# Altium PCB SEC_3002_DZ&HL - 副本.PcbDoc (part 2 of 2)
Units mm, origin at the board's own origin, x right, y up, seen from the top; angles counter-clockwise.
Board outline 200 x 170 mm, 2 copper layers (Top Layer, Bottom Layer); 589 components, 413 nets, 1696 pads, 0 vias.
Unrouted connection lines stored in the file: 1100.
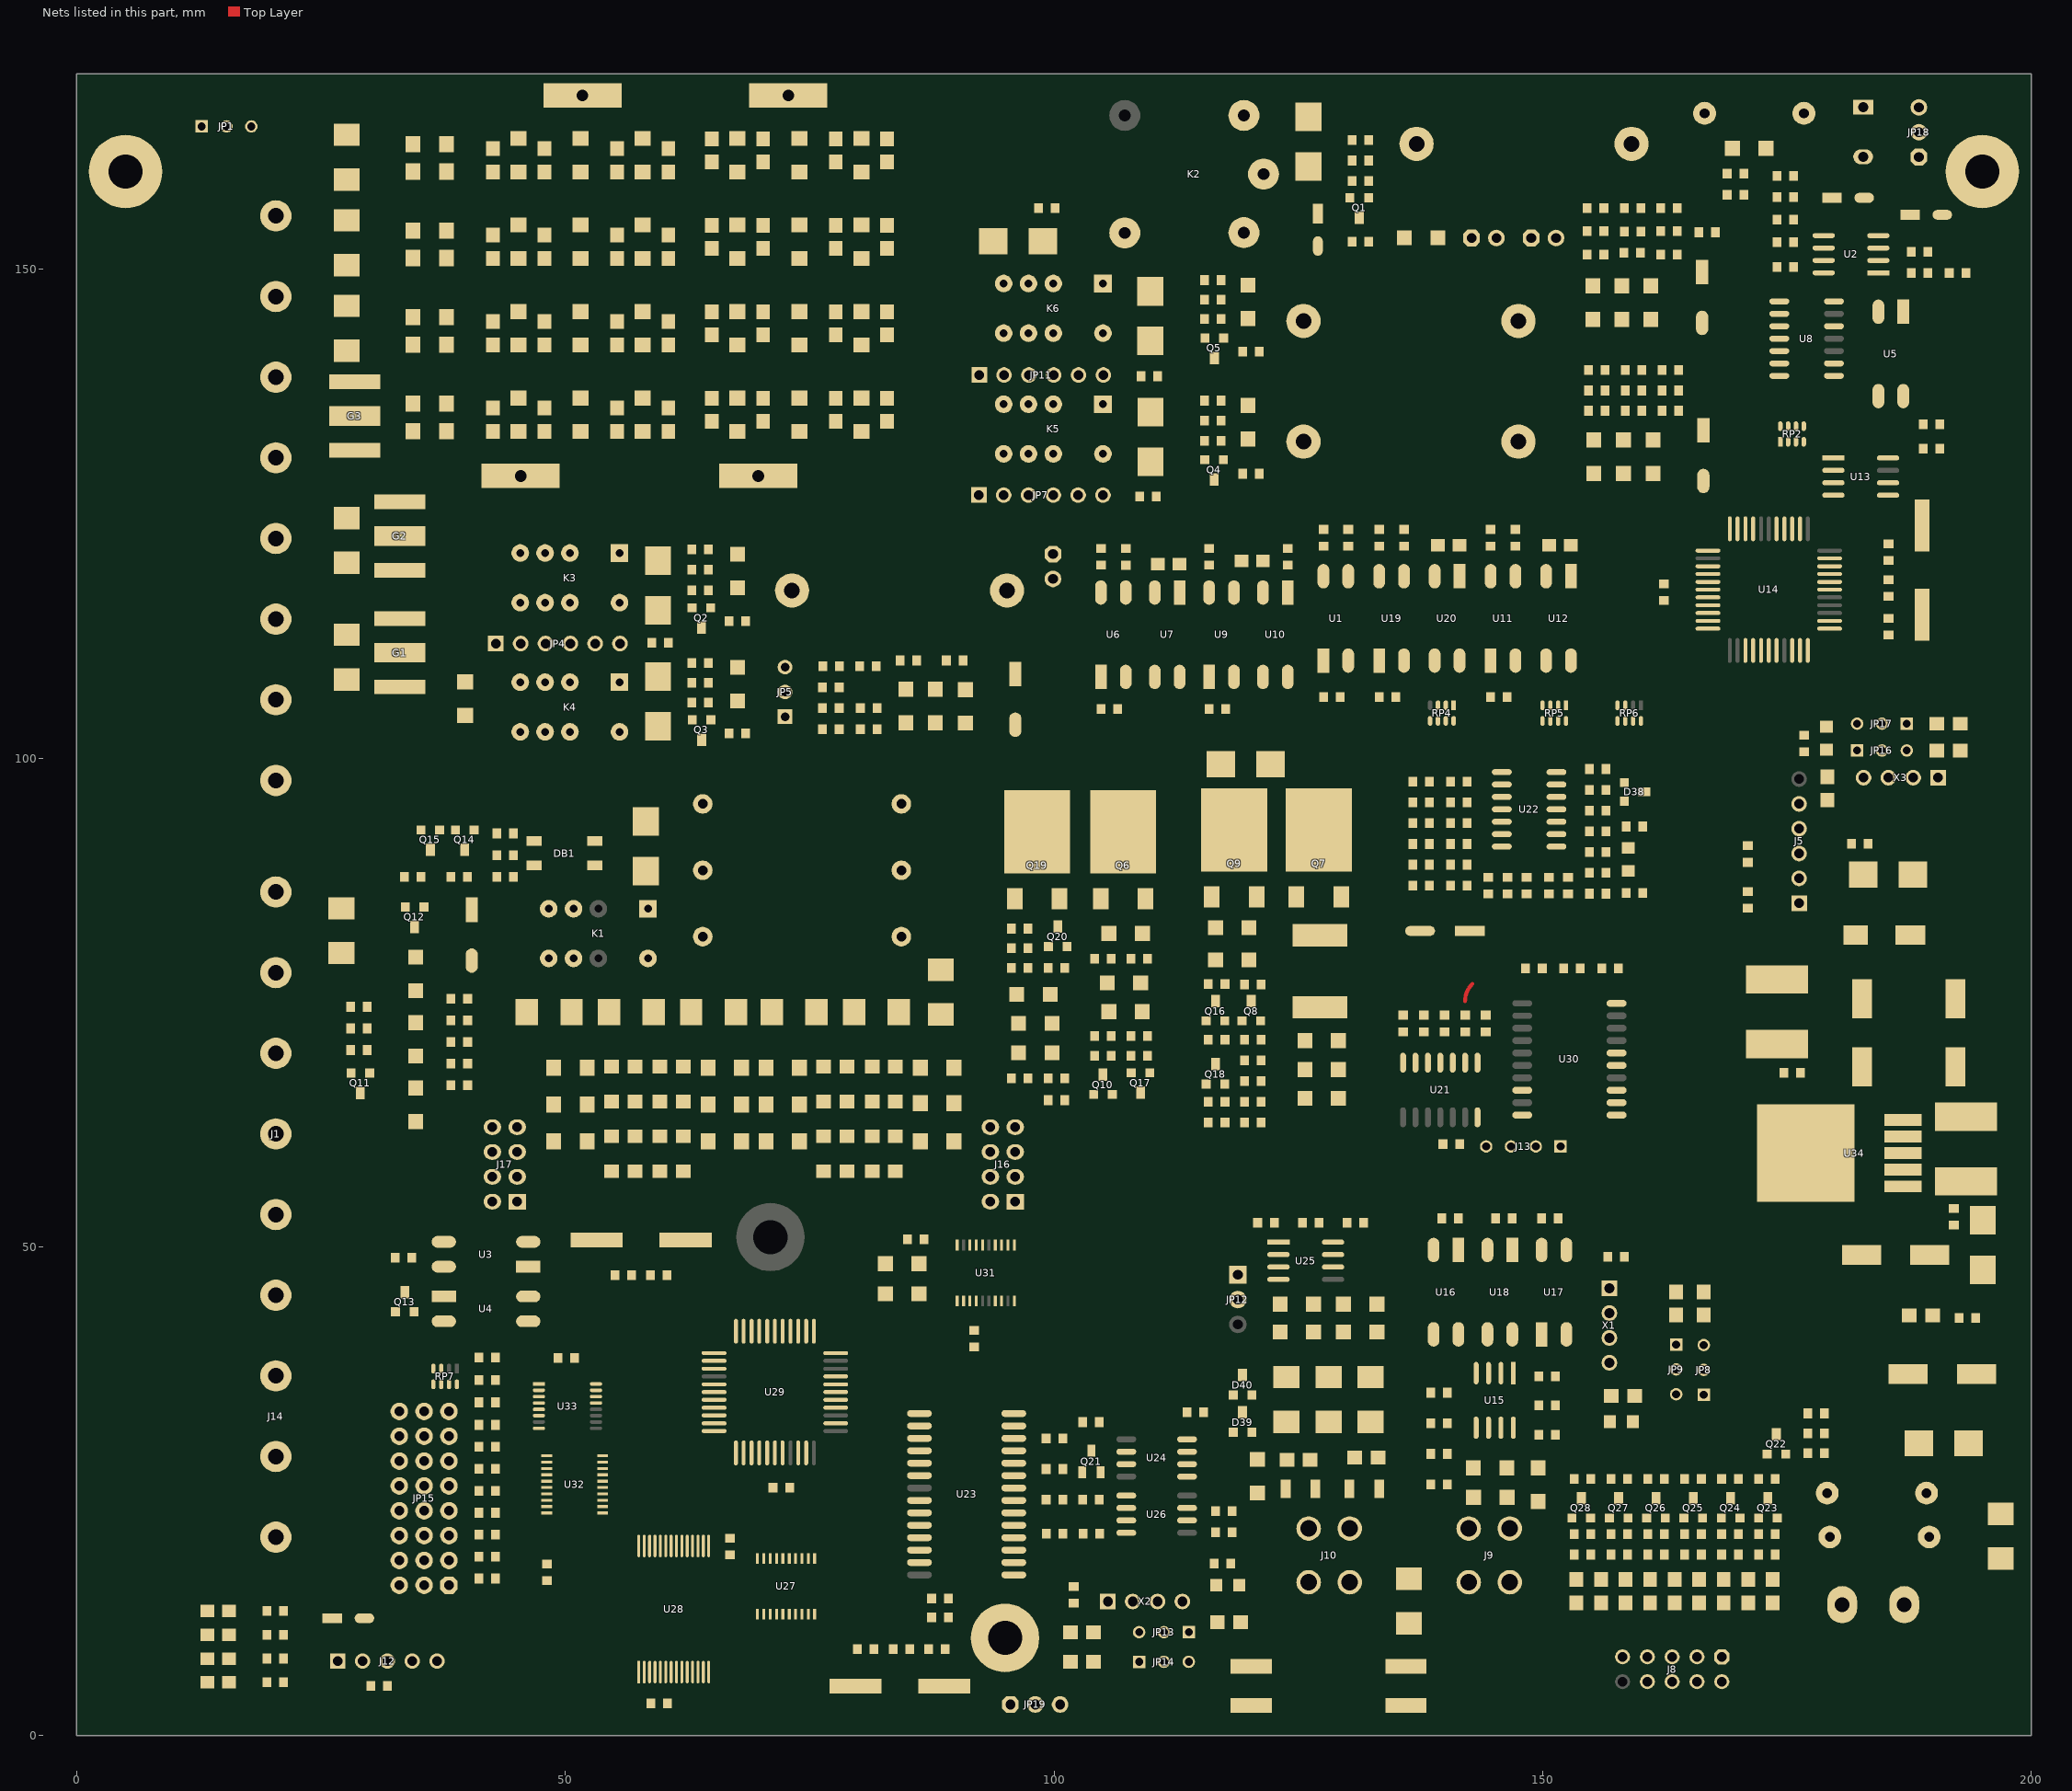
[diagram p2: the nets of this part, all layers, seen from the top]

## Part data
C1 C6 C8 C9 C10 C11 C12 C16 C17 C18 C19 C20 C22 C23 C24 C25 C26 C27 C28 C30 C31 C32 C33 C34 C35 C36 C37 C39 C40 C41 C42 C43 C44 C45 C46 C47 C48 C49 C50 C51 C52 C53 C55 C56 C57 C58 C59 C60 C61 C62 C63 C64 C65 C66 C67 C68 C69 C70 C72 C73 C79 C80 C81 C82 C83 C84 C85 C86 C87 C88 C89 C90 C91 C92 C93 C94 C95 C96 C97 UC1 UC2 UC3 UC4 UC5 UC6 UC7 UC8 UC9 UC10 VC1 VC2 VC3 VC4 VC5 VC6 VC7 VC8 VC9 VC10 VC11 VC12 VC13 VC14 VC15 VC16 VC17: library part CAP, "Capacitor"
C2 C4 C5 C7 C14 C15 C29 C38 C54 C71 C74 C75 C76 C77 C78: library part ELECTRO1, "Electrolytic Capacitor"
C3 C13: library part Cap, "Capacitor"
D1 D2 D3 D7 D10 D11 D14 D17 D22 D31 D32 D33 D34 D35 D36 D37 D44 D45 D46 D48 D49: library part DIODE_A, "Diode"
D4 D9: library part Diode, "Default Diode"
D5 D15 D20: library part DIODE, "Diode"
D6 D8 D12 D13 D16 D18 D19 D21 D23 D30: library part DIODE, "DIODE"
D24 D25 D26 D27 D28 D29 D47 D50 D51 D52 D53 D54 D55 D56: library part TVS
D41 D42 D43: library part TVS_SMALL
DB1: library part MB1S
DZ1 DZ2 DZ3 DZ4 DZ5 DZ6: library part ZENER3, "Zener Diode"
F1 F2 F3 F4: library part FUSE1, "Fuse"
F5 F6 F7: library part RXE110, "PTC"
G1 G2 G3: library part GDT
H1 H2 H3 H4 H5 H6 H7 H8: library part LED
J1: "Header, 3-Pin"
J2 J3 J4 J6 J7 J15: "Header, 2-Pin"
J5: library part J-6
J8: library part CON10, "Connector"
J9 J10: library part CON4, "Connector"
J12 J13 J14: "Connector"
JP2 JP3 JP6 JP10: library part JUMPER, "Jumper"
JP4 JP7 JP11: library part JUMP-6
JP15: library part "SW DIP8-3"
K1 K3 K4 K5 K6: library part RELAY-DPDT
K2: library part RELAY-SPDT
L1: library part L
L2 L3 L4 L5 L6 L7 L8 L10 L11 L12 L14 L15 L16 L18 L19 L20 L22 L23 L24 L25 L26 L27 L31 L37 L41 L45 L46 L47 L48 L49 L50 L51 L52 L53 L54 L55 L56 L57 L58 L59 L60 L61 L62 L63 L64 L65 L66 L67 L68 L69 L70 L71 L72 L73 L74: library part INDUCTOR
L9 L13 L17 L21: library part INDUCTOR2
L28 L29 L30 L32 L33 L34 L35 L36 L42 L43 L44: "60Ω-3A-[0805]"
L38 L39: library part "INDUCTOR IRON"
L40: library part INDUCTOR1
Q1 Q2 Q3 Q4 Q5 Q6 Q8 Q11 Q13 Q14 Q15 Q16 Q17 Q18 Q20 Q22 Q23 Q24 Q25 Q26 Q27 Q28: library part NPN, "NPN Transistor"
Q7 Q9: library part MOSFET-P, "P-channel mosfet"
Q10: library part PNP_A, "PNP Transistor"
Q12: library part PNP, "PNP Transistor"
Q19: library part MOSFET-N1
Q21: "2SA1015-[SOT-23]"
R1 R2 R3 R4 R5 R6 R7 R8 R9 R10 R11 R13 R14 R15 R16 R17 R18 R19 R20 R21 R22 R23 R24 R25 R27 R28 R29 R30 R31 R32 R33 R34 R35 R36 R38 R39 R40 R41 R42 R43 R44 R45 R46 R47 R49 R50 R51 R52 R53 R54 R55 R56 R57 R58 R59 R60 R61 R62 R63 R64 R65 R66 R67 R68 R69 R70 R71 R72 R74 R75 R76 R77 R78 R79 R81 R82 R83 R84 R85 R86 R87 R88 R89 R91 R92 R93 R94 R95 R96 R97 R98 R99 R100 R101 R102 R103 R104 R105 R106 R107 R108 R109 R110 R111 R112 R113 R114 R115 R116 R117 R118 R119 R120 R121 R122 R123 R124 R125 R126 R127 R128 R129 R130 R131 R132 R133 R134 R135 R136 R137 R138 R139 R140 R141 R142 R143 R144 R145 R146 R147 R148 R149 R150 R151 R152 R153 R154 R155 R156 R157 R158 R159 R160 R161 R162 R163 R164 R165 R166 R167 R168 R169 R170 R171 R172 R173 R175 R176 R177 R178 R179 R180 R181 R182 R183 R184 R185 R186 R187 R188 R189 R190 R191 R192 R193 R194 R195 R196: library part RES2
R73 R80: library part RES, "RES"
RP2 RP4 RP5 RP6 RP7: library part RP4, "RES PACK"
U1 U3 U4 U5 U6 U7 U9 U10 U11 U12 U16 U17 U18 U19 U20: library part TLP521-1
U2: library part ST393
U8: "Operational Amplifier"
U14: library part PIC16C74-04/PQ(44), "40-Pin EPROM-Based 8-Bit CMOS Microcontroller"
U15: library part MAX485
U21: library part 74LS14
U22: library part LM124
U24 U26: library part 6N137_1, "6N137-[DIP-8]"
U25: library part 82C250
U28: library part 62256_Type1_Forward
U29: library part STC89C51RD
U31: library part 74LS273
U32: library part 74LS245
U33: library part 74ALS138
X1 X2 X3: library part B0505S-1W, "B050S-1WR"
Y1 Y2 Y3: library part CRYSTAL, "Crystal"

## Free pads (board coordinates)
  round 7.5 hole 3.5: 0(5,160) 0(195,160)
  round 7 hole 3.5: 0(71,51) 0(95,10)
  rect 8x2.5 hole 1.2 slot 5 at 0 deg: 1(51.755,167.783) 2(72.826,167.783) 3(45.444,128.862) 4(69.738,128.862)

## Nets (pads, with @x,y where several pads share a name; then routed paths per layer and width w, separated by ;. In a path a pad name is that pad's centre, name@x,y a point inside that pad or via, vN(x,y) a via of type N, cw(c..) or ccw(c..) an arc to the next point about the centre after c; other vN are vias at no path point)
9.1V: DZ3.K R113.1 R117.2
24VGND: C1.2 C3.2 C4.2 C5.2 C6.2 C7.2 C8.2 C9.2 C10.2 C11.2 C15.2 C16.2 C17.2 C18.2 C29.2 C30.2 C31.2 C32.2 C33.2 C34.2 C35.2 C36.2 C37.1 C38.2 C39.1 C40.1 C41.1 C42.2 C43.2 C44.2 C45.1 C46.1 C47.1 C48.2 C49.2 C50.2 C52.2 C53.1 C54.2 C56.2 C58.1 C64.1 C65.1 C68.2 C69.2 C70.2 C72.2 C73.2 C74.2 C75.2 C76.2 C77.2 C78.2 C79.2 C80.2 C83.2 C97.2 D1.A D6.A D16.A D21.A D24.K D26.A D27.K D29.A D38.B D47.A D48.A D49.A D53.K DZ3.A H6.K J2.2 J12.2 J13.2 JP4.1 JP7.1 JP11.1 JP15.B1 JP15.B2 JP15.B3 JP15.B4 JP15.B5 JP15.B6 JP15.B7 JP15.B8 L35.1 L41.2 L43.1 L47.2 Q1.E Q2.E Q3.E Q4.E Q5.E Q8.E Q11.E Q16.E Q17.E Q18.E Q20.E Q21.3 R5.1 R6.2 R11.1 R15.1 R16.1 R20.2 R23.1 R24.2 R31.2 R35.2 R36.2 R41.2 R45.1 R46.2 R52.1 R53.2 R67.2 R84.2 R88.1 R89.2 R96.2 R98.1 R103.1 R111.1 R114.1 R116.1 R120.1 R125.1 R130.1 R136.1 R142.2 R143.2 R144.2 R152.1 R173.1 R175.1 U2.4 U4.3 U8.12 U21.7 U22.11 U23.8 U23.15 U23.21 U26.5 U27.1 U27.10 U28.14 U29.16 U30.10 U31.10 U32.10 U33.4 U33.5 U33.8 U34.0 U34.3 U34.5 UC1.2 UC2.2 UC3.2 UC4.2 UC5.2 UC6.2 UC7.2 UC8.2 UC9.2 UC10.2 VC17.1 X2.1 X3.1 | length 2
  Top Layer w0.4: 142.07,75.116 cw(c144.61,75.116) 142.813,76.912
24VIN_GND: J15.1 L41.1
24VK.OUT+: D50.K J7.2 L46.1
24VK.OUT-: D50.A D51.K J7.1 L50.1
24VKCTRL: RP4.3 U1.2 U14.3
93C46_CLK: RP2.3 U13.2 U14.37
93C46_CS: RP2.4 U13.1 U14.20
93C46_DI: RP2.2 U13.3 U14.43
93C46_DO: RP2.1 U13.4 U14.42
+5V: C58.2 C68.1 C71.1 C72.1 C78.1 C83.1 D38.E D48.K J12.1 J13.1 L34.1 L39.1 L42.1 R49.1 R57.2 R109.2 R121.1 R132.2 R145.2 R148.2 R158.1 R159.1 R160.2 R161.2 R162.2 R163.1 R164.2 R165.2 R166.2 R167.2 R168.2 R169.1 R170.2 RP7.5 RP7.6 RP7.7 RP7.8 U21.14 U22.4 U23.11 U23.12 U23.18 U23.22 U24.2 U26.7 U26.8 U27.20 U28.28 U29.38 U30.8 U31.1 U31.20 U32.20 U33.16 UC1.1 UC2.1 UC3.1 UC4.1 UC5.1 UC6.1 UC7.1 UC8.1 UC9.1 UC10.1 X2.2 X3.2
+24V: C73.1 C74.1 D9.K F5.2 K1.1 L40.2 R50.1 R113.2 U34.1
+24V_IN: J15.2 L37.1
+24VOUT: C2.1 C33.1 C75.1 C79.1 C97.1 D2.K D5.K D13.K D15.K D20.K D46.K F1.1 JP3.1 JP6.1 JP10.1 K2.2 K3.1 K4.1 K5.1 K6.1 L40.1 R2.1 R7.2 R8.2 R9.2 R13.2 R17.1 R19.1 R25.1 R27.1 R33.1 R38.1 R39.1 R42.1 R47.1 R63.1 R82.1 R85.1 R91.1 R92.1 U2.8 U8.3
/INT0: U23.16 U29.8
/RD: U23.5 U28.22 U29.13 U32.1
/WR: D45.A U23.6 U28.27 U29.12
A0: U27.12 U28.10
A1: U27.13 U28.9
A2: U27.14 U28.8
A3: U27.15 U28.7
A4: U27.16 U28.6
A5: U27.17 U28.5
A6: U27.18 U28.4
A7: U27.19 U28.3
A8: U28.25 U29.18
A9: U28.24 U29.19
A10: U28.21 U29.20
A11: U28.23 U29.21
A12: U28.2 U29.22 U33.1
A13: U28.26 U29.23 U33.2
A14: U28.1 U29.24 U33.3
A15: U28.20 U29.25 U33.6
AC: L2.2 R183.2
ACF: L7.1 R187.2
AD0: U23.23 U27.9 U28.11 U29.37 U31.3 U32.2
AD1: U23.24 U27.8 U28.12 U29.36 U31.4 U32.3
AD2: U23.25 U27.7 U28.13 U29.35 U31.7 U32.4
AD3: U23.26 U27.6 U28.15 U29.34 U31.8 U32.5
AD4: U23.27 U27.5 U28.16 U29.33 U31.13 U32.6
AD5: U23.28 U27.4 U28.17 U29.32 U31.14 U32.7
AD6: U23.1 U27.3 U28.18 U29.31 U31.17 U32.8
AD7: U23.2 U27.2 U28.19 U29.30 U31.18 U32.9
ALE: U23.3 U27.11 U29.27
BAK: L25.2 R189.2
C1: JP15.C1
C2: JP15.C2
C3: JP15.C3
C4: JP15.C4
C5: JP15.C5
C6: JP15.C6
C7: JP15.C7
C8: JP15.C8
CAN1_5.0V: C57.1 C62.2 C63.1 C66.1 C67.1 D39.E D40.E JP13.1 JP13.2 L36.2 R146.2 U24.7 U24.8 U25.3 U26.2
CAN_H: D41.K D42.K JP12.2 L32.1 R149.2 R151.2
CAN_L: D42.A D43.A L33.1 R153.2 R154.2 R155.2
CAN_RST: U23.17 U29.11
CANH: F6.1 J10.1 J10.3 T8.1
CANL: F7.1 J10.2 J10.4 T9.2
"CLASS CHANGE": D53.A H3.K J2.1 JP5.1
"CLASS JUMP": D20.A JP5.2 JP5.3 K6.12 Q5.C
CLASS_IN: RP5.1 U10.4 U14.11
CLOK: J5.5 U14.16
COMM_LED: H7.K U31.16
DATA: J5.4 U14.17
DC: L3.2 L6.2 R184.2
DCE: L8.2 R188.2
DCF: L4.2 R185.2
DCT: L5.2 R186.2
DP485_5.0V: C26.1 C27.1 JP8.1 JP8.2 L30.2 R70.2 R71.1 R72.1 R73.2 R80.2 U15.8
DP485_OE: R73.1 U15.2 U15.3 U18.4
DP485_RXD: R72.2 U15.1 U17.2
DP485_TXD: R71.2 U15.4 U16.4
DP485GND: C26.2 C27.2 JP9.2 JP9.3 R78.1 U15.5 U16.3 U18.3 X1.3
DZ485A: D55.K J9.1 J9.3 R74.1
DZ485B: D55.A J9.2 J9.4 R77.1
EARTH_EXT: JP1.1 pad.0@5,160
EARTH_EXT1: JP18.1 pad.0@195,160
EARTH_EXT2: JP19.1 pad.0@95,10
"EATHER GND": D51.A G1.2 G2.2 G3.2 JP1.2 JP1.3 JP2.1 JP18.2 JP18.3 JP19.2 JP19.3 pad.1 pad.2 pad.3 pad.4 T8.2 T9.1 VC2.2 VC4.2 VC6.2 VC8.2 VC10.2 VC12.2 VC14.2 VC16.2 VC17.2
ETHERFAULTIN: R68.2 U5.4 U14.21
"F.A.O. OPEN&SHORT CHECK": C16.1 D18.A D19.K R40.2
F.A.O.FAULTIN: RP5.3 U12.4 U14.9
F.A.O.OUTCTRL: RP5.4 U11.2 U14.8
F.A.O.OUTPUT+: D54.A G2.3 J4.2 L66.1
F.A.O.OUTPUT-: D54.K G2.1 J4.1 L62.1
"F.P.E OPEN&SHORT CHECK": C8.1 D8.A D12.K R18.2
F.P.E.FAULTIN: RP6.3 U7.4 U14.15
F.P.E.OUTCTRL: RP6.4 U6.2 U14.14
F.P.E.OUTPUT+: D52.A G1.3 J3.2 L58.1
F.P.E.OUTPUT-: D52.K G1.1 J3.1 L54.1
"FAULT COM": J1.2 K4.4 K4.9
"FAULT NC": J1.3 K4.3 K4.10
"FAULT NO": J1.1 K4.5 K4.8
FAULTOUTCTRL: RP5.2 U9.2 U14.10
GND1: C85.2 C86.2 VC5.2 VC6.1
GND2: C87.2 C88.2 VC7.2 VC8.1
GND3: C89.2 C90.2 VC9.2 VC10.1
GND4: C91.2 C92.2 VC11.2 VC12.1
GND5: C93.2 C94.2 VC13.2 VC14.1
GND6: C95.2 C96.2 VC15.2 VC16.1
GND7: C55.2 C59.2 VC1.2 VC2.1
GND8: C61.2 C84.2 VC3.2 VC4.1
GND_CAN1: C57.2 C62.1 C63.2 C66.2 C67.2 D39.B D40.B D41.A D43.K JP14.2 JP14.3 R157.1 U24.5 U25.2 X2.3
INPUT: U32.19 U33.13
JUMP1: JP15.A7 R167.1 U32.12
JUMP2: JP15.A8 R168.1 U32.11
L1_24V_SEND: D34.A U21.1 U29.17 U30.13
L1_24V_SHUTOFF: D32.A U29.28
L1_AD: R137.1 U29.40 U30.20
L1_FAULT: Q17.C R109.1 U29.2
L1_LED: H8.K U31.12
L1_RECEIVE: R127.2 R171.1 U29.43
L1_SHUTOFF: D35.A U31.2
L1_SUPERPOSITION: R123.2 R172.1 U29.42
LED: D44.A U33.14
LINE_INPUT: C12.1 DB1.2 R59.2 R61.2
LOOP+: D25.A D26.K K1.4 L14.2 R101.2 R102.2
LOOP-: D24.A D25.K K1.9 L10.2 Q19.D
LOOP_IN+: J16.5 J16.6 L21.2
LOOP_IN+_CHECK: D28.A D29.K DB1.3 K1.5 L22.2
LOOP_IN-: J16.7 J16.8 L17.2
LOOP_IN-_CHECK: D27.A D28.K DB1.1 K1.8 L18.2
LOOP_IN_DZ+: J14.3 J17.5 J17.6
LOOP_IN_DZ-: J14.4 J17.7 J17.8
LOOP_OUT+: J16.1 J16.2 L13.2
LOOP_OUT-: J16.3 J16.4 L9.2
LOOP_OUT_DZ+: J14.1 J17.1 J17.2
LOOP_OUT_DZ-: J14.2 J17.3 J17.4
LOOPCTRL: RP7.4 U3.2 U29.6
LOOPINCHEK: R60.1 RP7.3 U29.39
MCU_5.0V: C22.1 C23.1 C24.1 C28.1 C81.1 C82.1 J5.2 JP16.1 JP16.2 L28.1 L44.2 R3.1 R21.1 R32.1 R43.1 R68.1 R69.1 R75.2 R79.2 R81.2 R86.1 R176.1 R177.1 R178.1 R179.1 R180.1 R181.1 R182.1 RP2.5 RP2.6 RP2.7 RP2.8 RP4.5 RP4.6 RP4.7 RP4.8 RP5.5 RP5.6 RP5.7 RP5.8 RP6.5 RP6.6 RP6.7 RP6.8 U13.8 U14.7 U14.28 X1.2
MCUGND: C19.2 C20.2 C22.2 C23.2 C24.2 C25.2 C28.2 C81.2 C82.2 J5.3 JP17.2 JP17.3 L26.1 L29.1 Q22.E Q23.E Q24.E Q25.E Q26.E Q27.E Q28.E R190.2 R191.2 R192.2 R193.2 R194.2 R195.2 R196.2 U5.3 U7.3 U10.3 U12.3 U13.5 U13.6 U14.6 U14.29 U17.3 U20.3 X1.1 X3.3
NetC1_1: C1.1 D1.K K2.1C L27.2
NetC2_2: C2.2 R1.2
NetC3_1: C3.1 Q1.B R4.2 R5.2
NetC4_1: C4.1 R10.1 U2.3
NetC5_1: C5.1 R14.2 U2.6
NetC6_1: C6.1 C7.1 D6.K JP4.5 R18.1 R20.1
NetC9_1: C9.1 Q2.B R22.2 R23.2
NetC10_1: C10.1 Q3.B R34.1 R36.1
NetC11_1: C11.1 Q11.B R51.2 R52.2
NetC12_2: C12.2 R56.2
NetC13_1: C13.1 C14.2 DB1.4 DZ1.A R62.2 U4.2
NetC13_2: C13.2 D11.A Q12.B R55.2 R56.1
NetC14_1: C14.1 D11.K Q12.E Q15.E R54.1 R55.1
NetC15_1: C15.1 C17.1 D16.K JP7.5 R40.1 R41.1
NetC18_1: C18.1 Q4.B R44.2 R45.2
NetC29_1: C29.1 C31.1 D21.K JP11.5 R83.1 R84.1
NetC32_1: C32.1 Q5.B R87.2 R88.2
NetC34_1: C34.1 D33.K R112.2 R126.2
NetC35_1: C35.1 R124.2 U21.3
NetC36_1: C36.1 R128.2 U21.5
NetC37_2: C37.2 C38.1 R122.1 R129.2 R131.1
NetC39_2: C39.2 L10.1 L11.2
NetC40_2: C40.2 L11.1 L12.2
NetC41_2: C41.2 L9.1 L12.1
NetC42_1: C42.1 L14.1 L15.2
NetC43_1: C43.1 L15.1 L16.2
NetC44_1: C44.1 L13.1 L16.1
NetC45_2: C45.2 L18.1 L19.2
NetC46_2: C46.2 L19.1 L20.2
NetC47_2: C47.2 L17.1 L20.1
NetC48_1: C48.1 L22.1 L23.2
NetC49_1: C49.1 L23.1 L24.2
NetC50_1: C50.1 L21.1 L24.1
NetC51_1: C51.1 R140.2
NetC51_2: C51.2 D38.C R141.1 R144.1
NetC52_1: C52.1 R137.2 R138.2 U22.3 U22.5
NetC53_2: C53.2 R139.2 U22.10
NetC54_1: C54.1 R135.1 R142.1
NetC55_1: C55.1 L27.1 L31.2
NetC56_1: C56.1 R141.2 U22.12
NetC59_1: C59.1 L45.1 L46.2
NetC60_1: C60.1 R150.2 U23.13
NetC60_2: C60.2 Q21.1 R148.1 R150.1
NetC61_1: C61.1 L47.1 L48.2
NetC64_2: C64.2 U23.9 Y2.2
NetC65_2: C65.2 U23.10 Y2.1
NetC76_1: C76.1 C77.1 C80.1 L38.1 L39.2 U34.4
NetC84_1: C84.1 L49.1 L50.2
NetC85_1: C85.1 L51.1 L52.2
NetC86_1: C86.1 L53.1 L54.2
NetC87_1: C87.1 L55.1 L56.2
NetC88_1: C88.1 L57.1 L58.2
NetC89_1: C89.1 L59.1 L60.2
NetC90_1: C90.1 L61.1 L62.2
NetC91_1: C91.1 L63.1 L64.2
NetC92_1: C92.1 L65.1 L66.2
NetC93_1: C93.1 L67.1 L68.2
NetC94_1: C94.1 L69.1 L70.2
NetC95_1: C95.1 L71.1 L72.2
NetC96_1: C96.1 L73.1 L74.2
NetD2_A: D2.A K2.3 Q1.C R1.1
NetD3_A: D3.A R6.1 U1.3
NetD3_K: D3.K R4.1
NetD4_A: D4.A JP2.2 R7.1 R10.2
NetD4_K: D4.K L1.1
NetD5_1: D5.A K3.12 Q2.C
NetD7_A: D7.A R24.1 U6.3
NetD7_K: D7.K R22.1
NetD8_K: D8.K R30.1 U8.6
NetD9_A: D9.A K1.12 Q11.C
NetD10_A: D10.A R53.1 U3.3
NetD10_K: D10.K R51.1
NetD12_A: D12.A R28.1 U8.7
NetD13_A: D13.A K4.12 Q3.C
NetD14_A: D14.A R35.1 U9.3
NetD14_K: D14.K R34.2
NetD15_1: D15.A K5.12 Q4.C
NetD17_A: D17.A R46.1 U11.3
NetD17_K: D17.K R44.1
NetD18_K: D18.K R66.1 U8.4
NetD19_A: D19.A R64.1 U8.5
NetD22_A: D22.A R89.1 U19.3
NetD22_K: D22.K R87.1
NetD23_K: D23.K R95.1 U8.8
NetD30_A: D30.A R93.1 U8.9
NetD31_A: D31.A Q6.E
NetD31_K: D31.K Q9.D Q10.E R101.1 R105.1 R106.1
NetD32_K: D32.K R100.2
NetD33_A: D33.A R108.1
NetD34_K: D34.K R115.1
NetD35_K: D35.K R119.1
NetD36_A: D36.A D37.K
NetD36_K: D36.K R126.1
NetD37_A: D37.A Q19.S R129.1 R140.1 R143.1
NetD39_C: D39.C R149.1 R151.1 U25.7
NetD40_C: D40.C R153.1 R155.1 U25.6
NetD44_K: D44.K D45.K R175.2 U31.11
NetD46_A: D46.A D47.K L37.2
NetD49_K: D49.K L38.2 U34.2
NetDZ1_K: DZ1.K Q14.B R61.1
NetDZ2_A: DZ2.A Q6.B R98.2
NetDZ2_K: DZ2.K DZ5.K Q6.C Q7.D Q9.S R104.2
NetDZ4_A: DZ4.A Q7.G R97.1 R99.2
NetDZ4_K: DZ4.K F5.1 Q7.S R97.2
NetDZ5_A: DZ5.A Q9.G R104.1 R107.2
NetDZ6_A: DZ6.A Q18.C R106.2
NetDZ6_K: DZ6.K R105.2
NetF1_2: F1.2 K2.1
NetF2_1: F2.1 JP4.3 K3.5 K3.10
NetF2_2: F2.2 JP3.2
NetF3_1: F3.1 JP7.3 K5.5 K5.10
NetF3_2: F3.2 JP6.2
NetF4_1: F4.1 JP11.3 K6.5 K6.10
NetF4_2: F4.2 JP10.2
NetF6_2: F6.2 L32.2
NetF7_2: F7.2 L33.2
NetH1_A: H1.A R49.2
NetH1_K: H1.K U3.1
NetH2_A: H2.A R25.2
NetH2_K: H2.K U7.1
NetH3_A: H3.A U10.2
NetH4_A: H4.A R47.2
NetH4_K: H4.K U12.1
NetH5_A: H5.A R91.2
NetH5_K: H5.K U20.1
NetH6_A: H6.A R159.2
NetH7_A: H7.A R163.2
NetH8_A: H8.A R169.2
NetJ8_1: J8.1 L2.1
NetJ8_2: J8.2 L3.1
NetJ8_3: J8.3 L4.1
NetJ8_4: J8.4 L5.1
NetJ8_5: J8.5 L6.1
NetJ8_6: J8.6 L7.2
NetJ8_7: J8.7 L8.1
NetJ8_8: J8.8 L25.1
NetJ8_9: J8.9 L26.2
NetJP4_2: JP4.2 K3.8
NetJP4_4: JP4.4 K3.3
NetJP4_6: JP4.6 R17.2
NetJP7_2: JP7.2 K5.8
NetJP7_4: JP7.4 K5.3
NetJP7_6: JP7.6 R39.2
NetJP8_3: JP8.3 L28.2
NetJP9_1: JP9.1 L29.2
NetJP11_2: JP11.2 K6.8
NetJP11_4: JP11.4 K6.3
NetJP11_6: JP11.6 R82.2
NetJP12_3: JP12.3 R154.1
NetJP13_3: JP13.3 L34.2
NetJP14_1: JP14.1 L35.2
NetJP16_3: JP16.3 L42.2
NetJP17_1: JP17.1 L43.2
NetK3_4: K3.4 L55.2
NetK3_9: K3.9 L51.2
NetK5_4: K5.4 L63.2
NetK5_9: K5.9 L59.2
NetK6_4: K6.4 L71.2
NetK6_9: K6.9 L67.2
NetL1_2: L1.2 R14.1 R15.2
NetL30_1: L30.1 X1.4
NetL31_1: L31.1 L45.2 VC1.1
NetL36_1: L36.1 X2.4
NetL44_1: L44.1 X3.4
NetL48_1: L48.1 L49.2 VC3.1
NetL52_1: L52.1 L53.2 VC5.1
NetL56_1: L56.1 L57.2 VC7.1
NetL60_1: L60.1 L61.2 VC9.1
NetL64_1: L64.1 L65.2 VC11.1
NetL68_1: L68.1 L69.2 VC13.1
NetL72_1: L72.1 L73.2 VC15.1
NetQ8_B: Q8.B R100.1 R103.2
NetQ8_C: Q8.C R99.1
NetQ10_B: Q10.B R102.1
NetQ10_C: Q10.C R108.2
NetQ12_C: Q12.C R58.1 R62.1
NetQ13_1: Q13.B R58.2
NetQ13_2: Q13.C R54.2
NetQ13_3: Q13.E U4.1
NetQ14_2: Q14.C Q15.C R59.1
NetQ14_3: Q14.E Q15.B
NetQ16_B: Q16.B R110.1 R111.2
NetQ16_C: Q16.C R107.1
NetQ17_B: Q17.B R112.1 R114.2
NetQ18_B: Q18.B R115.2 R116.2
NetQ19_G: Q19.G R118.1
NetQ20_B: Q20.B R119.2 R120.2
NetQ20_C: Q20.C R117.1 R118.2
NetQ21_2: Q21.2 R147.2
NetQ22_1: Q22.B R183.1 R190.1
NetQ23_1: Q23.B R184.1 R191.1
NetQ24_1: Q24.B R185.1 R192.1
NetQ25_1: Q25.B R186.1 R193.1
NetQ26_1: Q26.B R187.1 R194.1
NetQ27_1: Q27.B R188.1 R195.1
NetQ28_1: Q28.B R189.1 R196.1
NetR2_2: R2.2 U1.4
NetR3_2: R3.2 U1.1
NetR8_1: R8.1 R11.2 U2.2
NetR9_1: R9.1 U5.1
NetR13_1: R13.1 R16.2 U2.5
NetR19_2: R19.2 U6.4
NetR21_2: R21.2 U6.1
NetR27_2: R27.2 R28.2 R29.1
NetR29_2: R29.2 R30.2 R31.1
NetR32_2: R32.2 U9.1
NetR33_2: R33.2 U9.4
NetR38_2: R38.2 U10.1
NetR42_2: R42.2 U11.4
NetR43_2: R43.2 U11.1
NetR50_2: R50.2 U3.4
NetR57_1: R57.1 R60.2 U4.4
NetR63_2: R63.2 R64.2 R65.1
NetR65_2: R65.2 R66.2 R67.1
NetR70_1: R70.1 R74.2 R76.2 U15.6
NetR75_1: R75.1 U16.1
NetR76_1: R76.1 R77.2 R78.2 U15.7
NetR80_1: R80.1 U17.1
NetR81_1: R81.1 U18.1
NetR85_2: R85.2 U19.4
NetR86_2: R86.2 U19.1
NetR92_2: R92.2 R93.2 R94.1
NetR94_2: R94.2 R95.2 R96.1
NetR110_2: R110.2 U21.2
NetR121_2: R121.2 R122.2 U22.2
NetR123_1: R123.1 U21.4
NetR124_1: R124.1 R125.2 U22.1
NetR127_1: R127.1 U21.6
NetR128_1: R128.1 R130.2 U22.7
NetR131_2: R131.2 R132.1 U22.6
NetR133_1: R133.1 R135.2 U22.9
NetR133_2: R133.2 R138.1 U22.8
NetR134_1: R134.1 R136.2 U22.13
NetR134_2: R134.2 R139.1 U22.14
NetR145_1: R145.1 R152.2 U23.20
NetR146_1: R146.1 U24.6 U25.1
NetR147_1: R147.1 U24.3
NetR156_1: R156.1 U25.4
NetR156_2: R156.2 U26.3
NetR157_2: R157.2 U25.8
NetR158_2: R158.2 U23.19 U26.6
NetR170_1: R170.1 U29.29
NetR171_2: R171.2 U30.16
NetR172_2: R172.2 U30.15
NetU2_1: U2.1 U2.7 U5.2
NetU7_2: U7.2 U8.1
NetU8_2: U8.2 U12.2
NetU8_14: U8.14 U20.2
OSC1: C19.1 U14.30 Y1.1
OSC2: C20.1 U14.31 Y1.2
PWR_AC: Q22.C R176.2 U14.22
PWR_ACF: Q26.C R180.2 U14.35
PWR_BAK: Q28.C R182.2 U14.41
PWR_DC: Q23.C R177.2 U14.23
PWR_DCE: Q27.C R181.2 U14.36
PWR_DCF: Q24.C R178.2 U14.24
PWR_DCT: Q25.C R179.2 U14.32
RST: C71.2 J12.3 R173.2 U29.4
RXD: J12.4 U29.5
RXD1: J13.3 U30.11
RXD_DZ: R79.1 U14.1 U17.4
"S.C. OPEN&SHORT CHECK": C30.1 D23.A D30.K R83.2
S.C.FAULTIN: RP4.1 U14.5 U20.4
S.C.OUTCTRL: RP4.2 U14.4 U19.2
S.C.OUTPUT+: D56.A G3.3 J6.2 L74.1
S.C.OUTPUT-: D56.K G3.1 J6.1 L70.1
SJA: U23.4 U33.15
SK1: JP15.A1 R160.1 U32.18
SK2: JP15.A2 R161.1 U32.17
SK3: JP15.A3 R162.1 U32.16
SK4: JP15.A4 R164.1 U32.15
SK5: JP15.A5 R165.1 U32.14
SK6: JP15.A6 R166.1 U32.13
TX_RX_CTRL: U14.38 U18.2
TXD: J12.5 U29.7
TXD1: J13.4 U30.12
TXD_DZ: U14.44 U16.2
VPP: C25.1 J5.1 R69.2 U14.18
XTAL1: C69.1 U29.15 Y3.2
XTAL2: C70.1 U29.14 Y3.1
pads on no net: 3.0 3_1.0 4.1 4_1.1 J5.6 J8.10 JP12.1 K1.3 K1.10 K2.1A RP4.4 RP6.1 RP6.2 RP7.1 RP7.2 U8.10 U8.11 U8.13 U13.7 U14.2 U14.12 U14.13 U14.19 U14.25 U14.26 U14.27 U14.33 U14.34 U14.39 U14.40 U21.8 U21.9 U21.10 U21.11 U21.12 U21.13 U23.7 U23.14 U24.1 U24.4 U25.5 U26.1 U26.4 U29.1 U29.3 U29.9 U29.10 U29.26 U29.41 U29.44 U30.1 U30.2 U30.3 U30.4 U30.5 U30.6 U30.7 U30.9 U30.14 U30.17 U30.18 U30.19 U31.5 U31.6 U31.9 U31.15 U31.19 U33.7 U33.9 U33.10 U33.11 U33.12

## Polygon pours and split planes (outlines as drawn)
DP485GND on Bottom Layer "Bottom Layer-DP485GND" (solid, remove dead copper, pour order 20): 136.725,43.092 136.725,31.75 136.204,31.229 136.095,31.12 136.095,21.256 136.095,20.982 133.328,18.215 133.355,18.187 133.355,10.132 133.355,10.05 133.821,9.584 133.958,9.721 149.712,9.721 149.712,9.937 149.75,9.976 149.838,10.064 149.838,19.242 149.838,19.462 151.736,21.36 151.593,21.503 151.593,28.539 151.943,28.539 152.53,29.126 160.825,29.126 162.281,30.582 166.517,30.582 167.223,30.582 168.68,32.038 168.371,32.347 168.371,38.348 168.371,38.48 168.194,38.657 167.974,38.878 162.37,38.878 162.061,38.878 159.281,41.657 159.104,41.834 155.53,41.834 155.442,41.834 153.942,43.334
24VGND on Bottom Layer "Bottom Layer-24VGND" (solid, remove dead copper, pour order 16): 170.53,77.081 170.553,77.059 199.939,77.059 199.939,28.856 199.942,28.852 199.928,28.866 182.32,28.866 182.32,37.101 181.668,37.753 181.464,37.957 176.044,37.957 176.044,53.139 176.044,53.143 175.43,53.757 175.238,53.949 170.393,53.949 170.393,77.062
24VGND on Bottom Layer "Bottom Layer-24VGND" (solid, remove dead copper, pour order 19): 88.419,170.019 88.378,125.909 88.378,125.751 42.147,125.383 42.054,105.712 41.568,105.226 35.333,105.167 35.333,95.162 51.319,95.162 53.091,96.935 53.516,97.122 57.824,97.11 59.332,98.618 59.756,98.806 94.462,98.794 97.656,101.988 98.081,102.176 101.108,102.164 101.102,112.06 101.708,112.672 124.56,112.66 127.395,115.495 128.041,115.684 156.853,115.671 156.853,119.916 156.955,120.25 162.045,125.356 162.352,125.52 165.733,125.532 170.539,130.337 170.55,136.684 171.139,137.179 181.153,137.167 181.165,141.736 181.754,142.231 199.945,142.107 200.024,169.878
MCUGND on Bottom Layer "Bottom Layer-MCUGND" (solid, remove dead copper, pour order 22): 192.194,140.241 182.356,140.241 182.342,140.227 182.354,140.215 182.354,136.567 182.354,136.555 181.754,135.955 181.742,135.966 171.739,135.966 171.739,130.339 171.624,130.224 171.436,130.035 171.436,129.559 171.436,129.519 171.435,129.519 166.494,124.577 166.133,124.577 166.01,124.577 165.755,124.322 165.746,124.331 162.718,124.331 158.054,119.667 158.054,115.07 158.054,115.059 157.454,114.458 157.442,114.47 128.068,114.47 128.068,114.466 125.345,111.743 125.316,111.714 124.947,111.714 124.947,111.67 124.728,111.451 124.72,111.459 102.309,111.459 102.309,102.164 102.329,102.144 134.874,102.144 134.874,102.136 136.064,100.946 136.112,100.898 136.472,100.898 160.692,100.898 161.404,100.186 163.317,98.273 163.317,97.566 163.317,85.479 162.818,84.98 160.864,83.025 160.864,81.251 160.864,57.257 160.337,56.73 160.129,56.522 157.842,56.522 137.049,56.522 136.957,56.43 136.964,56.423 136.964,48.2 154.649,48.2 154.898,47.951 154.933,47.917 154.933,42.983 155.322,42.594 155.512,42.404 159.344,42.404 159.658,42.404 162.715,39.347 162.896,39.165 168.62,39.165 169.043,39.165 169.345,38.863 169.214,38.732 169.214,31.313 169.131,31.313 167.777,29.959 167.683,30.053 162.924,30.053 162.674,30.053 161.622,29.001 161.591,29.032 152.812,29.032 152.812,28.909 152.193,28.29 151.918,28.015 151.918,21.081 151.918,20.405 150.663,19.15 150.659,19.147 150.659,2.87 150.957,2.572 155.086,2.572 175.736,2.572 176.123,2.958 176.479,3.315 176.479,23.46 180.312,23.46 180.936,24.084 180.819,24.202 180.819,36.456 175.117,36.456 174.562,37.011 174.543,37.03 174.543,52.448 170.295,52.448 169.09,53.653 169.151,53.714 169.151,77.927 169.151,78.916 172.697,82.462 174.027,83.792 175.537,83.792 177.407,83.792 178.054,84.439 178.414,84.799 178.414,94.218 185.928,94.218 186.395,94.686 186.73,95.02 186.73,99.392 186.73,99.78 185.856,100.653 185.748,100.761 185.748,104.5 185.748,105.291 185.928,105.471 186.036,105.579 192.615,105.579 192.615,139.817 192.196,140.236
24VGND on Bottom Layer "Bottom Layer-24VGND" (solid, remove dead copper, pour order 24): 175.018,78.591 174.994,78.616 174.994,83.281 178.8,83.281 178.824,83.256 179.117,83.549 179.117,93.848 186.298,93.848 187.492,95.042 187.443,95.091 187.443,99.388 187.344,99.388 186.436,100.297 186.485,100.345 186.485,104.324 186.578,104.324 186.632,104.378 186.783,104.529 200.132,104.529 200.132,78.747 199.974,78.589
GND_CAN1 on Bottom Layer "Bottom Layer-GND-CAN1" (solid, remove dead copper, pour order 26): 109.947,-0.212 109.947,11.314 109.947,11.951 109.183,12.715 109.31,12.842 109.31,15.708 109.31,16.004 110.702,17.395 110.966,17.659 110.966,35.64 110.966,35.703 112.813,37.55 113.322,38.059 113.322,52.515 113.322,52.751 115.793,55.222 115.825,55.189 136.12,55.189 136.12,32.328 136.374,32.074 136.183,32.074 136.183,22.267 135.356,21.439 132.936,19.019 132.936,18.637 132.936,10.168 133.254,9.849 132.426,9.022 132.426,-1.422
24VGND on Bottom Layer "Bottom Layer-24VGND" (solid, remove dead copper, pour order 28): 110.076,-0.379 110.076,11.486 109.237,12.325 109.073,12.489 109.073,15.729 109.073,16.238 110.411,17.575 110.538,17.702 110.538,35.531 110.728,35.531 113.04,37.843 113.04,52.47 115.793,55.222 136.307,55.222 136.307,56.981 136.357,57.03 160.324,57.03 160.324,82.915 162.731,85.323 162.731,98.289 160.723,100.298 136.223,100.298 134.957,101.564 98.081,101.564 94.711,98.194 59.756,98.194 58.073,96.51 53.516,96.51 51.568,94.562 34.733,94.562 30.315,90.145 30.315,79.434 26.099,75.218 26.099,17.024 -0.56,17.024 -0.7,16.884 -0.016,16.2 -0.016,0.097
DP485GND on Top Layer "Top Layer-DP485GND" (solid, remove dead copper, pour order 18): 136.725,43.092 136.725,31.75 136.204,31.229 136.095,31.12 136.095,21.256 136.095,20.982 133.328,18.215 133.355,18.187 133.355,10.132 133.355,10.05 133.821,9.584 133.958,9.721 149.712,9.721 149.712,9.937 149.75,9.976 149.838,10.064 149.838,19.242 149.838,19.462 151.736,21.36 151.593,21.503 151.593,28.539 151.943,28.539 152.53,29.126 160.825,29.126 162.281,30.582 166.517,30.582 167.223,30.582 168.68,32.038 168.371,32.347 168.371,38.348 168.371,38.48 168.194,38.657 167.974,38.878 162.37,38.878 162.061,38.878 159.281,41.657 159.104,41.834 155.53,41.834 155.442,41.834 153.942,43.334
24VGND on Top Layer "Top Layer-24VGND" (solid, remove dead copper, pour order 15): 170.53,77.081 170.553,77.059 199.939,77.059 199.939,28.856 199.942,28.852 199.928,28.866 182.32,28.866 182.32,37.101 181.668,37.753 181.464,37.957 176.044,37.957 176.044,53.139 176.044,53.143 175.43,53.757 175.238,53.949 170.393,53.949 170.393,77.062
24VGND on Top Layer "Top Layer-24VGND" (solid, remove dead copper, pour order 17): 88.419,170.019 88.378,125.909 88.378,125.751 42.147,125.383 42.054,105.712 41.568,105.226 35.333,105.167 35.333,95.162 51.319,95.162 53.091,96.935 53.516,97.122 57.824,97.11 59.332,98.618 59.756,98.806 94.462,98.794 97.656,101.988 98.081,102.176 101.108,102.164 101.102,112.06 101.708,112.672 124.56,112.66 127.395,115.495 128.041,115.684 156.853,115.671 156.853,119.916 156.955,120.25 162.045,125.356 162.352,125.52 165.733,125.532 170.539,130.337 170.55,136.684 171.139,137.179 181.153,137.167 181.165,141.736 181.754,142.231 199.945,142.107 200.024,169.878
MCUGND on Top Layer "Top Layer-MCUGND" (solid, remove dead copper, pour order 21): 192.194,140.241 182.356,140.241 182.342,140.227 182.354,140.215 182.354,136.567 182.354,136.555 181.754,135.955 181.742,135.966 171.739,135.966 171.739,130.339 171.624,130.224 171.436,130.035 171.436,129.559 171.436,129.519 171.435,129.519 166.494,124.577 166.133,124.577 166.01,124.577 165.755,124.322 165.746,124.331 162.718,124.331 158.054,119.667 158.054,115.07 158.054,115.059 157.454,114.458 157.442,114.47 128.068,114.47 128.068,114.466 125.345,111.743 125.316,111.714 124.947,111.714 124.947,111.67 124.728,111.451 124.72,111.459 102.309,111.459 102.309,102.164 102.329,102.144 134.874,102.144 134.874,102.136 136.064,100.946 136.112,100.898 136.472,100.898 160.692,100.898 161.404,100.186 163.317,98.273 163.317,97.566 163.317,85.479 162.818,84.98 160.864,83.025 160.864,81.251 160.864,57.257 160.337,56.73 160.129,56.522 157.842,56.522 137.049,56.522 136.957,56.43 136.964,56.423 136.964,48.2 154.649,48.2 154.898,47.951 154.933,47.917 154.933,42.983 155.322,42.594 155.512,42.404 159.344,42.404 159.658,42.404 162.715,39.347 162.896,39.165 168.62,39.165 169.043,39.165 169.345,38.863 169.214,38.732 169.214,31.313 169.131,31.313 167.777,29.959 167.683,30.053 162.924,30.053 162.674,30.053 161.622,29.001 161.591,29.032 152.812,29.032 152.812,28.909 152.193,28.29 151.918,28.015 151.918,21.081 151.918,20.405 150.663,19.15 150.659,19.147 150.659,2.87 150.957,2.572 155.086,2.572 175.736,2.572 176.123,2.958 176.479,3.315 176.479,23.46 180.312,23.46 180.936,24.084 180.819,24.202 180.819,36.456 175.117,36.456 174.562,37.011 174.543,37.03 174.543,52.448 170.295,52.448 169.09,53.653 169.151,53.714 169.151,77.927 169.151,78.916 172.697,82.462 174.027,83.792 175.537,83.792 177.407,83.792 178.054,84.439 178.414,84.799 178.414,94.218 185.928,94.218 186.395,94.686 186.73,95.02 186.73,99.392 186.73,99.78 185.856,100.653 185.748,100.761 185.748,104.5 185.748,105.291 185.928,105.471 186.036,105.579 192.615,105.579 192.615,139.817 192.196,140.236
24VGND on Top Layer "Top Layer-24VGND" (solid, remove dead copper, pour order 23): 175.018,78.591 174.994,78.616 174.994,83.281 178.8,83.281 178.824,83.256 179.117,83.549 179.117,93.848 186.298,93.848 187.492,95.042 187.443,95.091 187.443,99.388 187.344,99.388 186.436,100.297 186.485,100.345 186.485,104.324 186.578,104.324 186.632,104.378 186.783,104.529 200.132,104.529 200.132,78.747 199.974,78.589
GND_CAN1 on Top Layer "Top Layer-GND-CAN1" (solid, remove dead copper, pour order 25): 109.947,-0.212 109.947,11.314 109.947,11.951 109.183,12.715 109.31,12.842 109.31,15.708 109.31,16.004 110.702,17.395 110.966,17.659 110.966,35.64 110.966,35.703 112.813,37.55 113.322,38.059 113.322,52.515 113.322,52.751 115.793,55.222 115.825,55.189 136.12,55.189 136.12,32.328 136.374,32.074 136.183,32.074 136.183,22.267 135.356,21.439 132.936,19.019 132.936,18.637 132.936,10.168 133.254,9.849 132.426,9.022 132.426,-1.422
24VGND on Top Layer "Top Layer-24VGND" (solid, remove dead copper, pour order 27): 110.076,-0.379 110.076,11.486 109.237,12.325 109.073,12.489 109.073,15.729 109.073,16.238 110.411,17.575 110.538,17.702 110.538,35.531 110.728,35.531 113.04,37.843 113.04,52.47 115.793,55.222 136.307,55.222 136.307,56.981 136.357,57.03 160.324,57.03 160.324,82.915 162.731,85.323 162.731,98.289 160.723,100.298 136.223,100.298 134.957,101.564 98.081,101.564 94.711,98.194 59.756,98.194 58.073,96.51 53.516,96.51 51.568,94.562 34.733,94.562 30.315,90.145 30.315,79.434 26.099,75.218 26.099,17.024 -0.56,17.024 -0.7,16.884 -0.016,16.2 -0.016,0.097

## Keep-outs
Keep-Out Layer:
  circle w0.127: c5,92 r1.75
  circle w0.127: c5,10 r1.75
  circle w0.127: c45,10 r1.75
  circle w0.127: c95,160 r1.75
  circle w0.127: c195,10 r1.75
  circle w0.127: c195,85 r1.75
  lines w0.2: 0,0 0,170 200,170 200,0 0,0

## Other copper
Top Layer:
  rectangle net "EATHER GND": 100.231,0.461 138.978,3.903
  rectangle net +24VOUT: 189.155,40.663 190.646,43.156
  rectangle net +5V: 180.017,83.446 182.541,85.996
  rectangle net 24VGND: 190.96,48.182 192.016,50.181
  rectangle net NetC76_1: 175.957,67.04 177.672,72.184
Bottom Layer:
  rectangle net "EATHER GND": 99.865,0.516 139.052,3.91
  rectangle net 24VGND: 186.901,76.357 188.961,79.17

## Silkscreen, mask and mechanical layers (free items; w line width, h text height)
Top Overlay:
  drawing of 236 lines, arcs and shapes, not listed
  text "EARTH" at 190.105,166.979 h1.27
  text "ON" at 13.391,166.318 h0.76
  text "OFF" at 15.641,166.318 h0.76
  text "OFF" at 190.347,165.079 h0.76
  text "ON" at 190.242,162.184 h0.76
  text "EARTH" at 11.541,162.062 h1.27
  text "A" at 165.437,155.27 h3.81
  text "24VK" at 3.712,154.655 h3 r270
  text "A" at 196.239,146.292 h3.81
  text "S.C. Out" at 3.685,140 h3 r270
  text "B" at 196.51,139.661 h3.81
  text "B" at 165.343,139.132 h3.81
  text "F.A.O. Out" at 3.685,124.88 h3 r270
  text "F.P.E. Out" at 3.685,108.5 h3 r270
  text "DZ Power" at 182.06,107.301 h1.27
  text "ISO" at 182.365,105.456 h0.76
  text "DIR" at 185.188,105.416 h0.76
  text "D" at 133.415,86.042 h3.81
  text "Change" at 2.459,85.609 h2.5 r270
  text "Class" at 4.758,84.539 h2.5 r270
  text "D" at 160.247,73.947 h3.81
  text "NC" at 6.292,71.577 h3 r270
  text "Fault Out" at 2.582,67.385 h3 r270
  text "COM" at 6.292,64.529 h3 r270
  text "C" at 122.975,61.382 h3.81
  text "NO" at 6.292,55.166 h3 r270
  text "Loop In" at 3.718,45.6 h3 r270
  text "C" at 111.697,42.401 h3.81
  text "485 Power" at 169.415,39.955 h1.27 r270
  text "DIR" at 168.111,39.712 h0.76 r270
  text "E" at 29.842,37.473 h3.81
  text "ISO" at 168.135,36.975 h0.76 r270
  text "Loop Out" at 3.718,30.5 h3 r270
  text "6" at 30.161,27.631 h1.02
  text "5" at 30.161,25.052 h1.02
  text "4" at 30.161,22.472 h1.02
  text "3" at 30.161,19.892 h1.02
  text "H" at 123.4,17.84 h1.5
  text "L" at 131.688,17.84 h1.5
  text "A" at 139.777,17.84 h1.5
  text "B" at 148.065,17.84 h1.5
  text "2" at 30.161,17.312 h1.02
  text "E" at 44.367,14.912 h3.81
  text "1" at 30.5,14.733 h1.02
  text "LoopCtrl" at 7.466,12.389 h1.27
  text "ON" at 32.461,12.24 h2.03
  text "OFF" at 35.699,12.24 h2.03
  text "Address Set" at 32.022,10.657 h1.35
  text "Loop" at 9.387,9.971 h1.27
  text "PWR" at 9.474,7.328 h1.27
  text "COM" at 9.518,4.925 h1.27
  text "DIR" at 108.858,4.886 h0.76
  text "ISO" at 111.732,4.886 h0.76
  text "EARTH" at 97.953,4.87 h1.27
  text "Can Power" at 108.455,2.97 h1.27
  text "SEC-3002_DZ&HL V0.1" at 9.582,1.251 h1.5
  text "20160615" at 41.326,1.001 h1.5
  text "ON" at 96.124,0.789 h0.76
  text "OFF" at 98.393,0.736 h0.76
  text "24V IN" at 179.741,0.742 h3
  text "CAN" at 126.386,0.359 h2
  text "RS485" at 141.922,0.361 h2
Mechanical 1:
  circle w0.254: c5,160 r3.564
  circle w0.254: c5,10 r3.564
  circle w0.254: c5,92 r3.564
  circle w0.254: c45,10 r3.564
  circle w0.254: c95,10 r3.564
  circle w0.254: c5,10 r6
  circle w0.254: c45,10 r6
Mechanical 3:
  circle w0.125: c96.032,54.63 r0.699
  circle w0.125: c45.019,59.333 r0.593
Mechanical 4:
  circle w0.127: c195,10 r3.75
  circle w0.127: c195,85 r6
  circle w0.127: c5,160 r1.75
  circle w0.127: c195,160 r1.75
  circle w0.127: c5,92 r1.75
  circle w0.127: c95,10 r1.75
  circle w0.127: c71,51 r1.75
  circle w0.127: c71,51 r6
  circle w0.127: c95,160 r6
  circle w0.127: c195,160 r3.75
  circle w0.127: c195,85 r3.75
  circle w0.127: c195,85 r1.75
  circle w0.127: c195,10 r1.75
  circle w0.127: c95,160 r1.75
  circle w0.127: c95,160 r3.75
  circle w0.127: c71,51 r3.8
  circle w0.127: c45,10 r1.75
  circle w0.127: c5,10 r1.75
  lines w0.127: 40,40 40,0 100,0 100,40 ; 40,40 100,40 ; 40,40 40,70 100,70 100,40 ; 0,0 200,0 200,170 0,170 0,0

## Text inside footprints (layer, text, board x,y; h text height)
C2: Top Overlay "+" at 125.356,156.585 h0.64
C4: Top Overlay "+" at 186.698,153.927 h0.64 r90
C5: Top Overlay "+" at 178.711,155.662 h0.64 r90
C7: Top Overlay "+" at 94.284,109.355 h0.64
C14: Top Overlay "+" at 41.679,85.271 h0.64
C15: Top Overlay "+" at 167.761,134.354 h0.64
C29: Top Overlay "+" at 167.631,150.645 h0.64
C38: Top Overlay "+" at 144.452,84.482 h1.27 r180
C71: Top Overlay "+" at 25.255,10.363 h0.64 r90
C74: Top Overlay "+" at 180.231,46.853 h1.27 r270
C75: Top Overlay "+" at 196.807,33.69 h1.27 r90
C76: Top Overlay "+" at 185.01,66.015 h1.27
C77: Top Overlay "+" at 194.574,66.015 h1.27
C78: Top Overlay "+" at 178.736,82.603 h2 r270
H1: Top Overlay "+" at 17.256,11.558 h0.65 r90
H2: Top Overlay "+" at 109.086,121.214 h0.8 r270
H3: Top Overlay "+" at 122.815,118.721 h0.8 r90
H4: Top Overlay "+" at 149.141,123.084 h0.8 r270
H5: Top Overlay "+" at 137.777,123.215 h0.8 r270
H6: Top Overlay "+" at 17.274,6.707 h0.65 r90
H7: Top Overlay "+" at 17.256,4.288 h0.65 r90
H8: Top Overlay "+" at 17.293,9.127 h0.65 r90
JP4: Top Overlay "1" at 42.644,113.495 h0.76; Top Overlay "3" at 47.597,113.495 h0.76; Top Overlay "4" at 50.137,113.495 h0.76; Top Overlay "5" at 52.677,113.495 h0.76; Top Overlay "6" at 55.217,113.495 h0.76; Top Overlay "2" at 45.057,113.495 h0.76
JP7: Top Overlay "1" at 92.064,128.679 h0.76; Top Overlay "3" at 97.017,128.679 h0.76; Top Overlay "4" at 99.557,128.679 h0.76; Top Overlay "5" at 102.097,128.679 h0.76; Top Overlay "6" at 104.637,128.679 h0.76; Top Overlay "2" at 94.477,128.679 h0.76
JP11: Top Overlay "1" at 92.102,140.967 h0.76; Top Overlay "3" at 97.055,140.967 h0.76; Top Overlay "4" at 99.595,140.967 h0.76; Top Overlay "5" at 102.135,140.967 h0.76; Top Overlay "6" at 104.675,140.967 h0.76; Top Overlay "2" at 94.515,140.967 h0.76